# Altium PCB cyberlamp.PcbDoc (part 2 of 2)
Units mm, origin at the board's own origin, x right, y up, seen from the top; angles counter-clockwise.
Board outline 110 x 80 mm, 2 copper layers (Top Layer, Bottom Layer), stack 1.371 mm thick; 173 components, 119 nets, 563 pads, 188 vias.
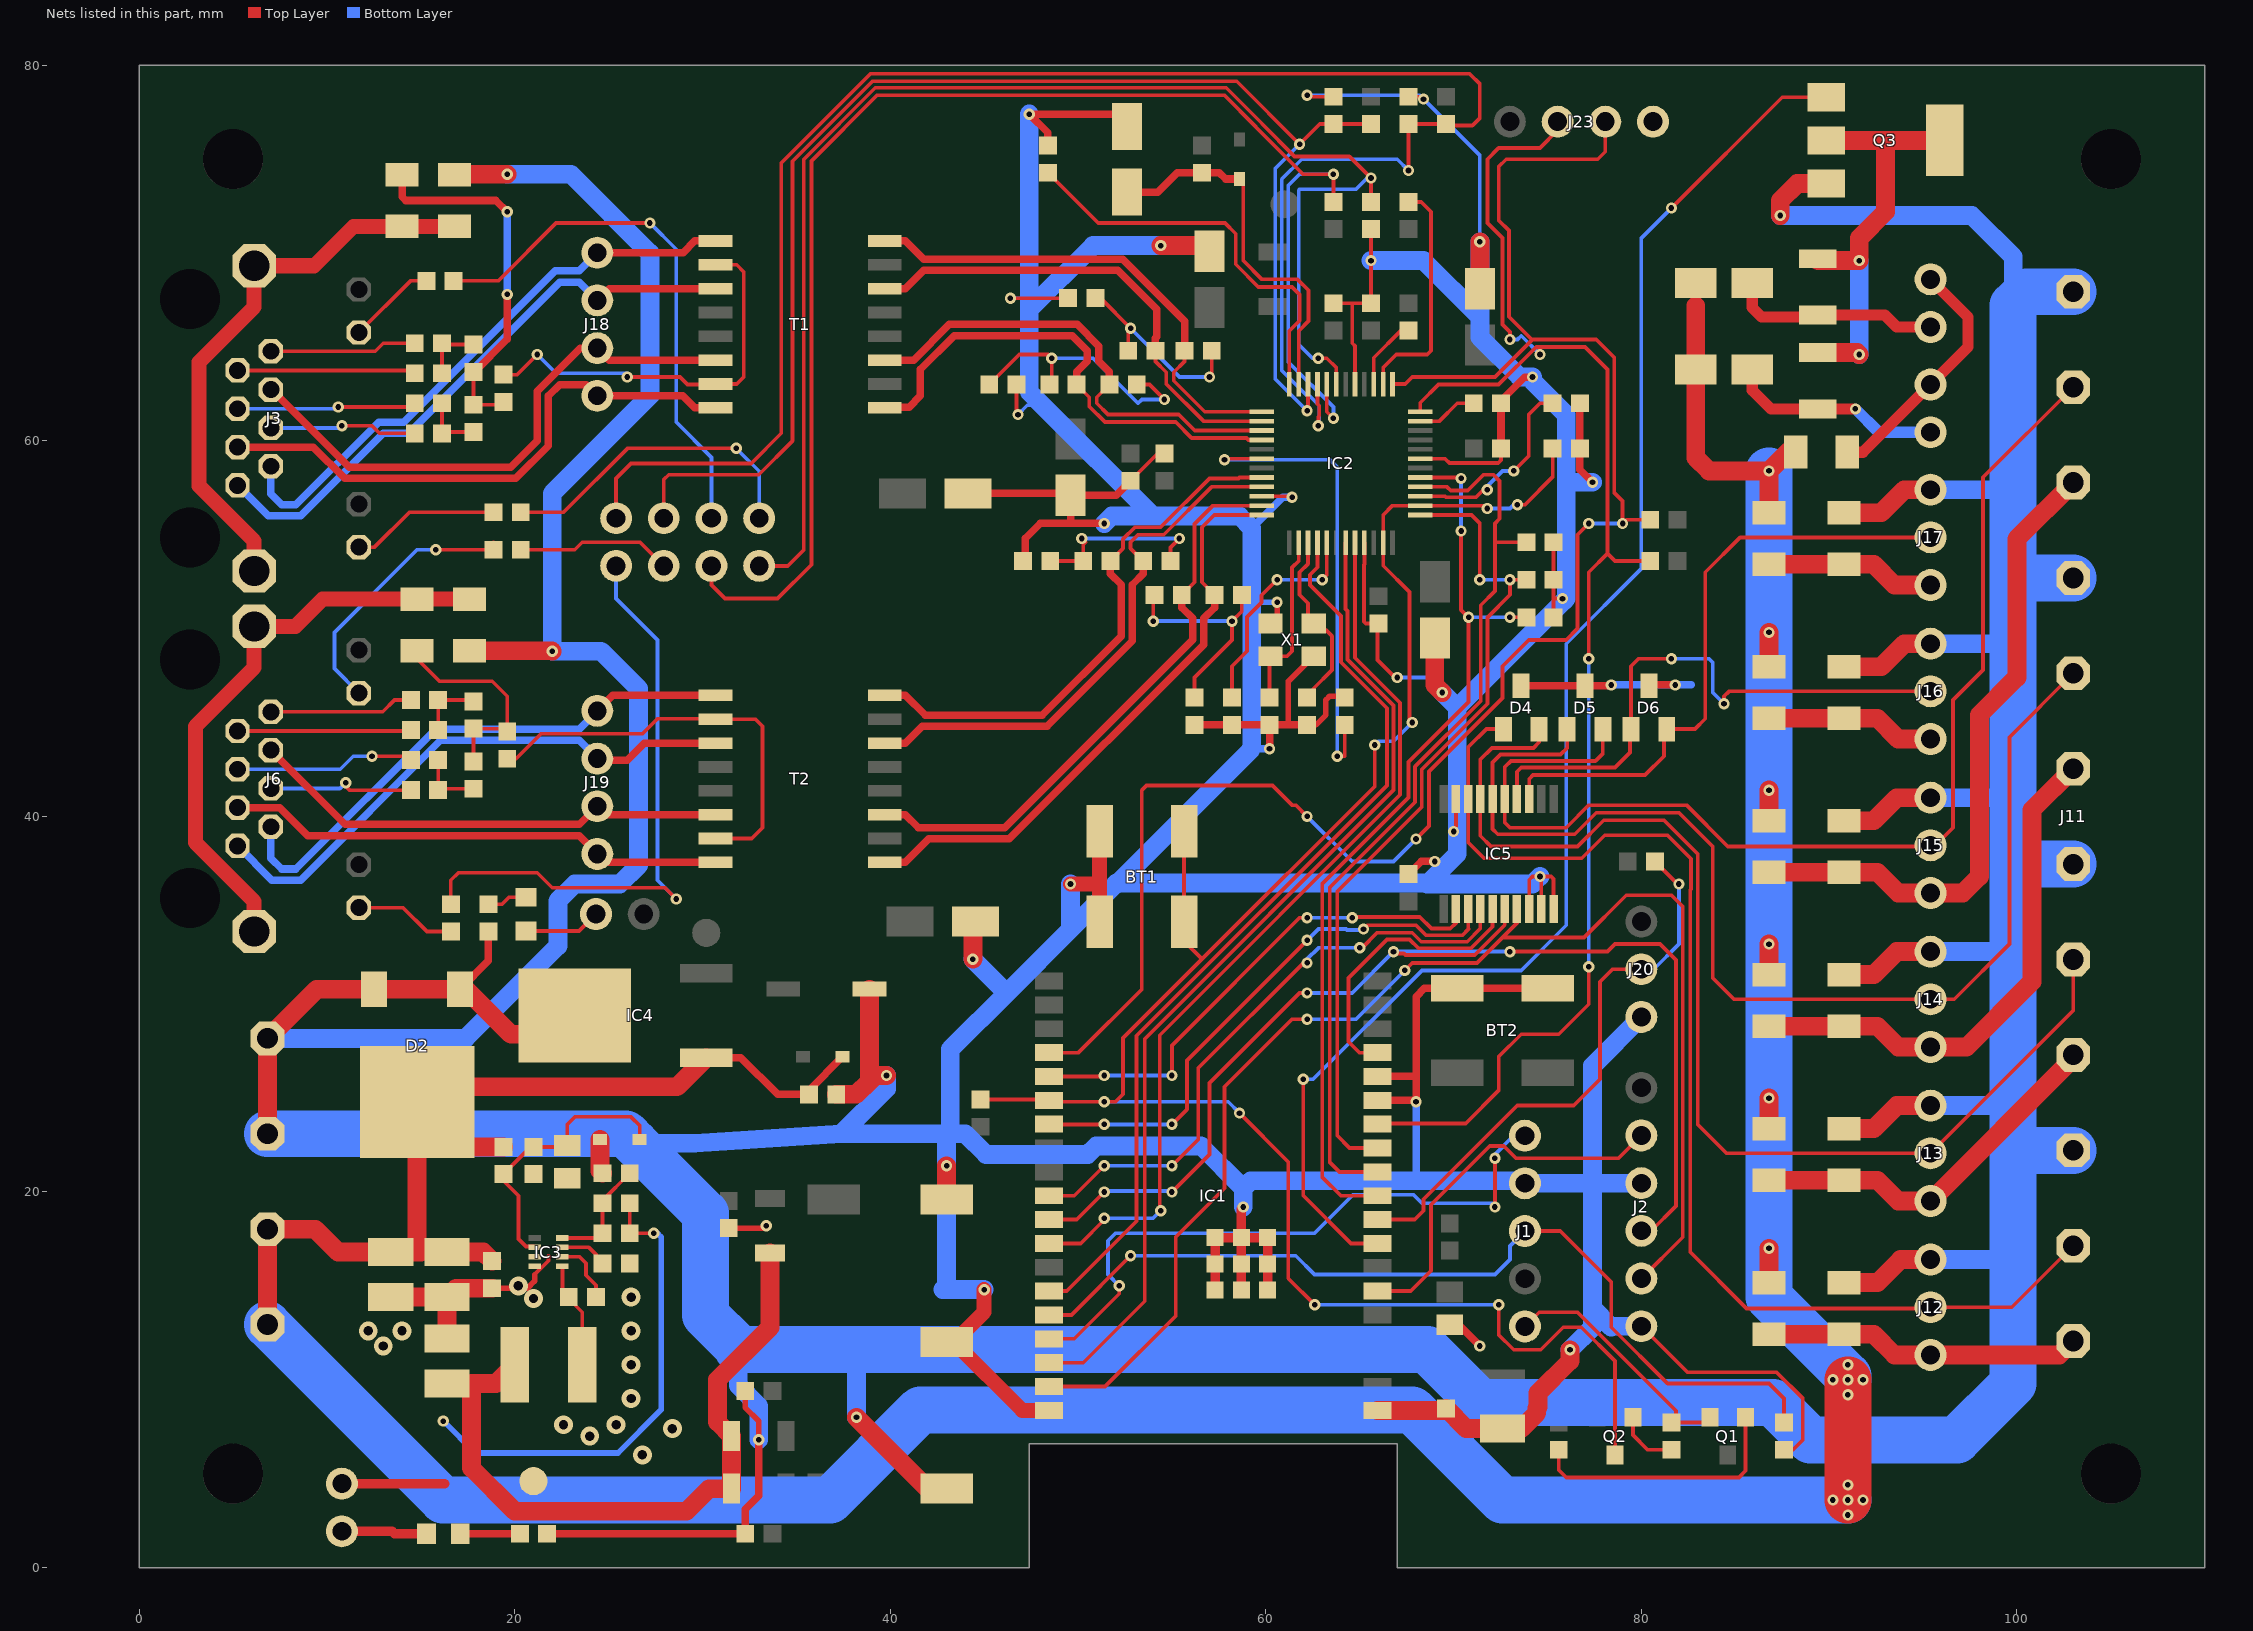
[diagram p2: the nets of this part, all layers, seen from the top]

## Via types
v1: diameter 0.6, hole 0.3, Top Layer to Bottom Layer, 174 vias
v2: diameter 1, hole 0.5, Top Layer to Bottom Layer, 14 vias

## Nets (pads, with @x,y where several pads share a name; then routed paths per layer and width w, separated by ;. In a path a pad name is that pad's centre, name@x,y a point inside that pad or via, vN(x,y) a via of type N, cw(c..) or ccw(c..) an arc to the next point about the centre after c; other vN are vias at no path point) (continued)
GND: BT1.3 BT1.4 BT2.1 BT2.2 C1.2 C2.2 C3.2 C4.2 C5.- C6.2 C7.2 C8.- C9.2 C10.- C11.2 C12.2 C13.- C14.2 C15.1 C16.1 C17.- C18.2 C19.2 C20.- C22.1 C23.2 C24.2 C25.- C27.1 C28.- C29.2 C31.- C32.2 C33.2 C34.2 C36.2 C37.2 C38.- C39.2 C40.2 C41.1 C42.2 C45.2 C46.2 C47.2 C48.2 C49.2 C50.2 C51.2 D2.2 D4.3 D5.3 D6.3 D9.2 IC1.1 IC1.14 IC1.15 IC1.38 IC1.39 IC2.10 IC2.21 IC2.31 IC2.41 IC3.4 IC4.3 IC5.8 IC5.9 IC5.10 IC5.19 J1.2 J2.3 J2.6 J10.1 J10.2 J11.3 J11.6 J11.9 J11.12 J12.1 J13.1 J14.1 J15.1 J16.1 J17.1 J20.3 J23.4 Q3.3 R2.1 R4.1 R5.1 R6.1 R9.1 R10.1 R11.1 R12.1 R20.1 R21.1 R23.2 R38.2 R52.1 R55.1 R56.1 R57.1 R58.1 X1.2 X1.4 | length 891.3
  Top Layer w0.2: 21.06,15.6 21.8,16.34 21.8,16.6 ; v1(46.4,67.6) C19.2@49.475,67.6 ; C18.2@46.725,63 46.725,61.475 v1(46.8,61.4) ; C9.2@52.8,57.875 54.25,59.325 C14.2@54.6,59.325 ; IC2.10@59.775,57.05 61.35,57.05 v1(61.4,57) ; v1(62.2,78.4) 62.275,78.325 R4.1@63.6,78.325 ; C12.2@63.6,67.325 C6.2@65.6,67.325 v1(65.6,69.6) R6.1@65.6,71.275 ; 64.6,67.2 64.6,65.2 64.75,65.05 IC2.41@64.75,63.025 ; IC2.21@65.25,54.575 65.25,53.425 65.225,53.4 65.225,50.375 65.325,50.275 C7.2@66,50.275 65.95,50.225 65.95,48.331 66.881,47.4 v1(67,47.4) ; R2.1@67.6,78.325 68.275,78.325 v1(68.4,78.2) ; IC2.31@68.225,59.05 69.55,59.05 69.775,58.825 72.375,58.825 72.525,58.975 C11.2@72.525,59.6 ; 70.125,39.475 IC5.19@70.125,40.925 ; IC5.8@74.025,35.075 74.025,36.625 74.2,36.8 v1(74.6,36.8) ; IC5.9@74.675,35.075 74.675,36.725 v1(74.6,36.8) ; IC5.10@75.325,35.075 75.325,36.675 75.2,36.8 v1(74.6,36.8) ; R9.1@75.325,50.6 75.325,51.6 ; R10.1@75.325,54.6 R5.1@75.325,52.6 75.325,51.6 ; v1(75.8,51.6) 75.325,51.6 ; J2.6@80,12.85 82.45,10.4 87.2,10.4 88.6,9 88.6,6.8 88.075,6.275 R58.1@87.6,6.275
  Top Layer w0.3: C34.2@18.8,14.875 20.675,14.875 21.06,15.26 21.06,15.6 ; C37.2@31.4,18.075 33.275,18.075 v1(33.4,18.2) ; C29.2@32.275,9.2 32.275,8.525 33,7.8 v1(33,6.8) ; X1.2@60.25,50.275 60.6,50.625 v1(60.6,51.4) ; 61.2,44.875 61.2,47.2 62.525,48.525 X1.4@62.55,48.525 ; C15.1@62.2,44.875 62.675,44.875 63.2,45.4 63.2,46.2 63.4,46.4 64.125,46.4 R20.1@64.2,46.325
  Top Layer w0.4: D2.2@17.09,30.8 18.6,32.31 R56.1@18.6,33.875 ; R57.1@21.725,1.8 C39.2@32.275,1.8 32.275,3.109 33,3.834 v1(33,6.8) ; C20.-@44.15,57.2 49.9,57.2 C8.-@50,57.1 ; C24.2@47.075,53.6 47.2,53.725 47.2,54.8 48,55.6 49.6,55.6 ; R23.2@48.4,75.725 48.4,76.4 v1(47.4,77.4) 51.95,77.4 C17.-@52.6,76.75 ; v1(51.4,55.6) 49.6,55.6 ; C9.2@52.8,57.875 52.025,57.1 C8.-@50,57.1 ; C23.2@56.2,44.875 C16.1@60.2,44.875 ; v1(60.2,43.6) C16.1@60.2,44.875 ; C15.1@62.2,44.875 61.2,44.875 C16.1@60.2,44.875 ; IC1.14@65.95,24.88 67.92,24.88 v1(68,24.8) 68,26.2 ; IC1.15@65.95,26.15 67.95,26.15 68,26.2 ; C42.2@67.6,36.925 68.275,37.6 v1(69,37.6) ; C3.2@69.8,12.925 70.275,12.925 v1(71.4,11.8) ; C11.2@72.525,59.6 R21.1@72.525,62 72.525,62.125 73.8,63.4 v1(74.2,63.4) ; D4.3@73.6,46.95 D5.3@77,46.95 78.35,46.95 v1(78.4,47) ; BT2.1@75.007,30.85 BT2.2@70.192,30.85 68.45,30.85 68,30.4 68,26.2 ; R11.1@76.725,62 R12.1@76.725,59.6 76.725,58.475 v1(77.4,57.8) ; D6.3@80.4,46.95 80.45,47 v1(81.8,47) ; 49.6,55.6 C8.-@49.6,57.1 C8.-@50,57.1
  Top Layer w0.5: IC1.39@57.3,14.77 IC1.39@57.3,16.17 IC1.39@57.3,17.57 IC1.39@58.7,17.57 ; IC1.39@58.7,14.77 IC1.39@58.7,16.17 IC1.39@58.7,17.57 ; v1(58.8,19.2) 58.7,19.1 IC1.39@58.7,17.57 ; IC1.39@60.1,14.77 IC1.39@60.1,16.17 IC1.39@60.1,17.57 IC1.39@58.7,17.57
  Top Layer w0.8: v1(45,14.8) 45,13.6 43.4,12 47.03,8.37 IC1.38@48.45,8.37 ; v1(49.6,36.4) 51.15,36.4 ; BT1.3@51.15,34.393 51.15,36.4 ; BT1.4@51.15,39.208 51.15,36.4
  Top Layer w1: J10.2@6.84,23.1 J10.1@6.84,28.18 9.46,30.8 D2.2@12.51,30.8 D2.2@17.09,30.8 17.4,30.8 19.8,28.4 IC4.3@23.2,28.4 ; C32.2@13.4,14.4 C33.2@16.4,14.4 ; C36.2@16.4,12.2 C33.2@16.4,14.4 ; C22.1@16.8,74.175 16.825,74.2 v1(19.6,74.2) ; C27.1@17.6,48.825 21.975,48.825 v1(22,48.8) ; C34.2@18.8,14.875 16.875,14.875 C33.2@16.4,14.4 ; D9.2@24.55,22.8 24.55,21.125 R52.1@24.675,21 ; C41.1@37.125,25.2 38.2,25.2 38.9,25.9 ; v1(38.2,8) 42,4.2 C38.-@43,4.2 ; C40.2@38.9,30.8 38.9,25.9 ; v1(39.8,26.2) 39.2,26.2 38.9,25.9 ; C31.-@43,19.6 v1(43,21.4) ; v1(44.4,32.4) 44.4,34.25 C25.-@44.55,34.4 ; v1(54.4,70.4) 56.7,70.4 C13.-@57,70.1 ; IC1.1@65.95,8.37 69.495,8.37 C2.2@69.6,8.475 70.675,7.4 C1.2@72.6,7.4 73.6,7.4 74.425,8.225 74.425,8.49 74.5,8.565 74.5,9.3 76.2,11 v1(76.2,11.6) ; C5.-@69,49.5 69,47 v1(69.4,46.6) ; C10.-@71.4,68.1 v1(71.4,70.6) ; v1(87.4,72) 87.4,72.8 88.3,73.7 Q3.3@89.85,73.7 ; C46.2@90.8,15.175 92.575,15.175 93.8,16.4 J12.1@95.4,16.4 ; C47.2@90.8,23.375 92.375,23.375 93.6,24.6 J13.1@95.4,24.6 ; C48.2@90.8,31.575 92.375,31.575 93.6,32.8 J14.1@95.4,32.8 ; C49.2@90.8,39.775 92.375,39.775 93.6,41 J15.1@95.4,41 ; C50.2@90.8,47.975 92.775,47.975 94,49.2 J16.1@95.4,49.2 ; C51.2@90.8,56.175 92.775,56.175 94,57.4 J17.1@95.4,57.4
  Bottom Layer w0.2: v1(46.4,67.6) 47.4,67.6 ; v1(46.8,61.4) 47.3,61.9 48.1,61.9 ; v1(62.2,78.4) 68.2,78.4 v1(68.4,78.2) 71.4,75.2 v1(71.4,70.6) ; v1(67,47.4) 68.6,47.4 v1(69.4,46.6)
  Bottom Layer w0.3: 59.45,51.4 v1(60.6,51.4)
  Bottom Layer w0.4: 59.2,43.6 v1(60.2,43.6) ; 59.25,55.35 60.9,57 v1(61.4,57) ; 68,20.6 v1(68,24.8) ; v1(78.4,47) v1(81.8,47) 82.661,47
  Bottom Layer w1: J10.1@6.84,28.18 17.38,28.18 22.3,33.1 22.3,35.5 23.2,36.4 25.6,36.4 26.6,37.4 26.6,46.8 24.6,48.8 v1(22,48.8) 22,57.2 27.2,62.4 27.2,70 23,74.2 v1(19.6,74.2) ; 26.406,22.6 29.6,22.6 37.4,23.1 ; 31.9,11.7 31.9,11.6 31.9,9.7 33,8.6 v1(33,6.8) ; v1(38.2,8) 38.2,11.4 38.4,11.6 ; v1(39.8,26.2) 39.8,25.5 37.4,23.1 ; v1(44.4,32.4) 46.1,30.7 46.3,30.7 ; v1(45,14.8) 42.8,14.8 43,15 v1(43,21.4) 43,22.9 43.2,23.1 ; v1(47.4,77.4) 47.4,67.6 47.4,67 ; v1(49.6,36.4) 49.6,34 ; v1(51.4,55.6) 51.8,56 54,56 ; v1(54.4,70.4) 50.8,70.4 47.4,67 ; v1(58.8,19.2) 58.8,20.2 ; 59.25,51.2 59.25,43.65 59.2,43.6 59.2,43.537 52.113,36.45 ; 59.25,51.4 59.25,55.35 58.6,56 54,56 ; v1(65.6,69.6) 68.4,69.6 71.4,66.6 ; v1(69.4,46.6) 70.2,45.8 ; v1(71.4,70.6) 71.4,66.6 ; v1(74.6,36.8) 74.2,36.4 68.6,36.4 ; v1@75.9,51.5 70.2,45.8 ; v1@76,51.6 76,57.8 ; v1(76.2,11.6) 77.4,12.8 77.4,13.8 ; v1(77.4,57.8) 76,57.8 ; J2.6@80,12.85 78.45,12.85 78.4,12.8 77.4,13.8 ; J2.3@80,20.47 79.99,20.46 77.4,20.46 ; J20.3@80,29.32 77.4,26.72 77.4,20.46 ; v1(87.4,72) 97.6,72 99.8,69.8 99.8,67.2 ; J12.1@95.4,16.4 99.8,16.4 ; J13.1@95.4,24.6 99.8,24.6 ; J14.1@95.4,32.8 99.8,32.8 ; J15.1@95.4,41 99.8,41 ; J16.1@95.4,49.2 99.8,49.2 ; J17.1@95.4,57.4 99.8,57.4 ; 37.4,23.1 43.2,23.1 ; 43.2,23.1 43.2,27.6 46.3,30.7 ; 43.2,23.1 44,23.1 45.1,22 50.515,22 50.965,22.45 56.55,22.45 58.8,20.2 ; 46.3,30.7 49.6,34 ; 47.4,67 47.4,62.6 48.1,61.9 54,56 ; 49.6,34 52,36.4 ; 52,36.4 52.063,36.4 52.113,36.45 ; 52,36.4 52.05,36.45 52.113,36.45 ; 52.113,36.45 68.55,36.45 68.6,36.4 ; 58.8,20.2 59.2,20.6 68,20.6 73.66,20.6 J1.2@73.8,20.46 77.4,20.46 ; 68.6,36.4 70.2,38 70.2,45.8 ; 71.4,66.6 71.4,65.515 73.515,63.4 v1(74.2,63.4) 74.2,63.2 76,61.4 76,57.8 ; 77.4,13.8 77.4,20.46
  Bottom Layer w2.5: J10.2@6.84,23.1 25.906,23.1 26.406,22.6 30.15,18.856 30.15,13.45 31.9,11.7 ; 31.9,11.6 38.4,11.6 68.6,11.6 71.4,8.8 87,8.8 89,6.8 96.8,6.8 99.8,9.8 99.8,16.4 99.8,22.2 ; J11.3@103,22.22 99.82,22.22 99.8,22.2 ; J11.6@103,37.46 99.86,37.46 99.8,37.4 ; J11.9@103,52.7 99.9,52.7 99.8,52.8 ; J11.12@103,67.94 100.54,67.94 99.8,67.2 99.8,52.8 ; 99.8,22.2 99.8,24.6 99.8,37.4 ; 99.8,37.4 99.8,41 99.8,52.8
  other v1: 70,39.2
  other v2: 26.8,6 24,7 28.4,7.4 22.6,7.6 25.4,7.6 26.2,9 26.2,10.8 13,11.8 12.2,12.6 14,12.6 26.2,12.6 21,14.325 26.2,14.4 20.2,15
NetC4_1: C4.1 D9.1 IC3.2 R54.1 R55.2 | length 14.9
  Top Layer w0.2: IC3.2@21.06,17.05 21.01,17.1 20.601,17.1 20.2,17.501 20.2,19.8 19.4,20.6 R54.1@19.4,20.95 20.85,22.4 R55.2@21,22.4 22.725,22.4 C4.1@22.8,22.475 22.8,23.6 23.2,24 26.2,24 26.655,23.545 D9.1@26.655,22.8
NetC15_2: C15.2 IC2.15 X1.1 | length 9.3
  Top Layer w0.2: IC2.15@62.25,54.575 62.25,53.45 61.8,53 61.8,51.8 62.25,51.35 62.25,50.575 X1.1@62.55,50.275 62.85,50.275 63.525,49.6 63.525,47.8 C15.2@62.525,46.8
NetC16_2: C16.2 IC2.14 X1.3 | length 9.4
  Top Layer w0.2: C16.2@60.2,46.325 60.2,48.475 X1.3@60.25,48.525 61.125,48.525 61.4,48.8 61.4,53.25 61.75,53.6 IC2.14@61.75,54.575
NetC17_+: C17.+ D1.2 IC2.47 R22.1 | length 20.3
  Top Layer w0.2: D1.2@58.6,73.945 58.8,73.745 58.8,69.6 59.8,68.6 61.695,68.6 62.275,68.02 62.275,66.38 61.75,65.855 IC2.47@61.75,63.025
  Top Layer w0.4: C17.+@52.6,73.25 54.25,73.25 55.275,74.275 R22.1@56.6,74.275 57.525,74.275 57.855,73.945 D1.2@58.6,73.945
NetC18_1: C18.1 R24.1 R25.1 | length 14.4
  Top Layer w0.2: C18.1@45.275,63 46.875,64.6 48.4,64.6 v1(48.6,64.4) 48.6,63.125 R24.1@48.475,63 ; R25.1@53.125,63 53.8,63 v1(54.6,62.2)
  Bottom Layer w0.2: v1(48.6,64.4) 50.8,64.4 53.2,62 53.4,62.2 v1(54.6,62.2)
NetC19_1: C19.1 R26.1 R31.1 | length 10.5
  Top Layer w0.2: C19.1@50.925,67.6 51.2,67.6 v1(52.8,66) 52.675,65.875 R26.1@52.675,64.8 ; v1(57,63.4) 57.125,63.525 R31.1@57.125,64.8
  Bottom Layer w0.2: v1(52.8,66) 55.4,63.4 v1(57,63.4)
NetC21_1: C21.1 C22.2 J3.13 | length 29.8
  Top Layer w0.8: J3.13@6.13,53.075 6.13,54.67 3.2,57.6 3.2,64.2 6.13,67.13 J3.13@6.13,69.325 9.325,69.325 11.425,71.425 C22.2@16.4,71.425
NetC21_2: C21.2 R27.2 R29.1 R33.1 | length 19.8
  Top Layer w0.2: R33.1@17.8,63.675 R29.1@17.8,61.925 19.25,61.925 R27.2@19.4,62.075
  Top Layer w0.4: C21.2@14,74.175 14,73 14.2,72.8 19,72.8 v1(19.6,72.2) ; R33.1@17.8,63.675 17.866,63.675 19.591,65.4 19.6,65.4 v1(19.6,67.8)
  Bottom Layer w0.4: v1(19.6,67.8) v1(19.6,72.2)
NetC23_1: C23.1 R37.1 R39.1 | length 12.2
  Top Layer w0.2: v1(54,50.4) 54,51.725 R39.1@54.075,51.8 ; C23.1@56.2,46.325 56.2,47.4 58.2,49.4 v1(58.2,50.4) 58.725,50.925 R37.1@58.725,51.8
  Bottom Layer w0.2: v1(54,50.4) v1(58.2,50.4)
NetC24_1: C24.1 R40.1 R45.1 | length 9.7
  Top Layer w0.2: C24.1@48.525,53.6 R45.1@50.275,53.6 50.275,54.475 50.4,54.6 v1(50.2,54.8) ; R40.1@54.925,53.6 54.925,54.325 v1(55.4,54.8)
  Bottom Layer w0.2: v1(50.2,54.8) v1(55.4,54.8)
NetC26_1: C26.1 C27.2 J6.13 | length 30.9
  Top Layer w0.8: J6.13@6.13,33.875 6.13,35.47 3,38.6 3,44.8 6.13,47.93 J6.13@6.13,50.125 8.325,50.125 9.775,51.575 C27.2@17.6,51.575
NetC26_2: C26.2 R41.2 R43.1 R47.1 | length 11.5
  Top Layer w0.2: C26.2@14.8,48.825 14.8,48.4 16,47.2 18.8,47.2 19.6,46.4 R41.2@19.6,44.525 19.45,44.675 R47.1@17.8,44.675 R43.1@17.8,42.925
NetC30_1: C30.1 IC3.6 | length 3.4
  Top Layer w0.2: IC3.6@22.54,16.55 23.45,16.55 23.8,16.2 23.8,15.563 24.325,15.038 C30.1@24.325,14.4
NetC30_2: C30.2 IC3.5 L1.1 | length 5.7
  Top Layer w0.2: IC3.5@22.54,16.05 22.54,15.2 22.54,14.66 23.6,13.6 L1.1@23.6,10.8
NetC35_1: C35.1 C36.1 FB2.1 FB3.1 FB4.1 J25.2 L1.2 R51.2 TP2.1 | length 67.8
  Top Layer w0.2: C35.1@26.125,19.4 R51.2@26.125,17.8 v1(27.4,17.8)
  Top Layer w0.5: J25.2@10.8,4.47 16.27,4.47
  Top Layer w1: L1.2@20,10.8 19,9.8 17.7,9.8 17.7,5.3 20,3 29.15,3 30.35,4.2 FB4.1@31.55,4.2 FB2.1@31.55,7 30.8,7.75 30.8,10 33.6,12.8 FB3.1@33.6,16.75
  Bottom Layer w0.3: v1(16.2,7.8) 17.9,6.1 25.5,6.1 27.8,8.4 27.8,17.6 27.6,17.8 v1(27.4,17.8)
NetC35_2: C35.2 IC3.8 R51.1 R52.2 | length 6
  Top Layer w0.2: IC3.8@22.54,17.55 24.425,17.55 R51.1@24.675,17.8 C35.2@24.675,19.4 24.675,19.55 R52.2@26.125,21
NetC43_-: C43.- J22.2 L3.2 | length 11.3
  Top Layer w0.6: C43.-@85.9,68.4 85.9,67.1 86.4,66.6 89.3,66.6 L3.2@89.4,66.7 92.96,66.7 93.6,66.06 J22.2@95.4,66.06
NetC44_-: C44.- J21.2 L2.2 | length 11.5
  Top Layer w0.6: C44.-@85.9,63.8 85.9,62.7 86.898,61.702 L2.2@89.4,61.702 v1(91.4,61.702)
  Bottom Layer w0.6: v1(91.4,61.702) 92.642,60.46 J21.2@95.4,60.46
NetC45_1: C45.1 IC3.7 | length 2.6
  Top Layer w0.2: IC3.7@22.54,17.05 23.95,17.05 C45.1@24.8,16.2
NetC46_1: C46.1 F1.1 J11.1 J12.3 | length 17
  Top Layer w1: F1.1@86.8,12.425 C46.1@90.8,12.425 92.375,12.425 93.48,11.32 J12.3@95.4,11.32 102.26,11.32 J11.1@103,12.06
NetC47_1: C47.1 F2.1 J11.4 J13.3 | length 20
  Top Layer w1: F2.1@86.8,20.625 C47.1@90.8,20.625 92.575,20.625 93.68,19.52 J13.3@95.4,19.52 103,27.12 J11.4@103,27.3
NetC48_1: C48.1 F3.1 J11.7 J14.3 | length 28.2
  Top Layer w1: F3.1@86.8,28.825 C48.1@90.8,28.825 92.575,28.825 93.68,27.72 J14.3@95.4,27.72 97.32,27.72 100.8,31.2 100.8,40.34 J11.7@103,42.54
NetC49_1: C49.1 F4.1 J11.10 J15.3 | length 35.1
  Top Layer w1: F4.1@86.8,37.025 C49.1@90.8,37.025 92.575,37.025 93.68,35.92 J15.3@95.4,35.92 97.12,35.92 98,36.8 98,45.4 100,47.4 100,54.78 J11.10@103,57.78
NetC50_1: C50.1 F5.1 J16.3 | length 9.1
  Top Layer w1: F5.1@86.8,45.225 C50.1@90.8,45.225 92.575,45.225 93.68,44.12 J16.3@95.4,44.12
NetC51_1: C51.1 F6.1 J17.3 | length 9.1
  Top Layer w1: F6.1@86.8,53.425 C51.1@90.8,53.425 92.375,53.425 93.48,52.32 J17.3@95.4,52.32
NetD4_1: D4.1 IC5.18 J11.2 J12.2 | length 64.6
  Top Layer w0.2: D4.1@72.65,44.65 71.745,44.65 70.775,43.68 IC5.18@70.775,40.925 70.775,38.625 71.625,37.775 76.825,37.775 78.05,39 81.4,39 82.65,37.75 82.65,36.131 82.6,36.081 82.6,16.8 85.6,13.8 95.34,13.8 J12.2@95.4,13.86 99.72,13.86 J11.2@103,17.14
NetD4_2: D4.2 IC5.17 J11.5 J13.2 | length 62.3
  Top Layer w0.2: D4.2@74.55,44.65 74.55,43.95 74.25,43.65 72.05,43.65 71.425,43.025 IC5.17@71.425,40.925 71.425,38.975 72,38.4 76.6,38.4 78,39.8 81.2,39.8 83,38 83,23.6 84.54,22.06 J13.2@95.4,22.06 103,29.66 J11.5@103,32.38
NetD5_1: D5.1 IC5.16 J11.8 J14.2 | length 62.2
  Top Layer w0.2: D5.1@76.05,44.65 76.05,43.65 75.7,43.3 72.5,43.3 72.075,42.875 IC5.16@72.075,40.925 72.075,39.325 72.35,39.05 76.45,39.05 77.6,40.2 82,40.2 83.8,38.4 83.8,31.4 84.94,30.26 J14.2@95.4,30.26 96.66,30.26 99.6,33.2 99.6,44.22 J11.8@103,47.62
NetD5_2: D5.2 IC5.15 J11.11 J15.2 | length 61.7
  Top Layer w0.2: D5.2@77.95,44.65 77.95,43.35 77.55,42.95 73.05,42.95 72.725,42.625 IC5.15@72.725,40.925 72.725,39.675 73,39.4 76,39.4 77.2,40.6 82.4,40.6 84.6,38.4 95.34,38.4 J15.2@95.4,38.46 95.66,38.46 96.6,39.4 96.6,46.2 98.2,47.8 98.2,58.06 J11.11@103,62.86
NetD6_1: D6.1 IC5.14 J16.2 | length 31.1
  Top Layer w0.2: IC5.14@73.375,40.925 73.375,42.375 73.6,42.6 78.6,42.6 79.4,43.4 79.4,44.6 D6.1@79.45,44.65 79.45,48 79.85,48.4 v1(81.6,48.4) ; v1(84.4,46) 84.4,46.4 84.66,46.66 J16.2@95.4,46.66
  Bottom Layer w0.2: v1(81.6,48.4) 83.6,48.4 83.8,48.2 83.8,46.6 v1(84.4,46)
NetD6_2: D6.2 IC5.13 J17.2 | length 33.1
  Top Layer w0.2: IC5.13@74.025,40.925 74.025,42 74.225,42.2 80.2,42.2 81.2,43.2 81.2,44.5 D6.2@81.35,44.65 82.85,44.65 83.4,45.2 83.4,53 85.26,54.86 J17.2@95.4,54.86
NetD7_1: D7.1 R56.2 | length 2.2
  Top Layer w0.2: R56.2@18.6,35.325 19.325,35.325 19.7,35.7 D7.1@20.6,35.7
NetD7_2: D7.2 J24.1 | length 4.1
  Top Layer w0.2: D7.2@20.6,33.9 23.43,33.9 J24.1@24.33,34.8
NetD8_1: D8.1 R57.2 | length 3.2
  Top Layer w0.4: D8.1@17.1,1.8 R57.2@20.275,1.8
NetD8_2: D8.2 J25.1 | length 4.6
  Top Layer w0.5: J25.1@10.8,1.93 13.47,1.93 13.6,1.8 D8.2@15.3,1.8
NetF7_1: F7.1 J21.1 J22.1 | length 13.2
  Top Layer w0.6: F7.1@90.975,59.4 91.8,59.4 J21.1@95.4,63 97.4,65 97.4,66.6 J22.1@95.4,68.6
NetIC1_6: IC1.6 J2.2 | length 20.1
  Top Layer w0.2: IC1.6@65.95,14.72 67.72,14.72 68.8,15.8 68.8,19.319 71.931,22.45 72.669,22.45 73.319,21.8 78.79,21.8 J2.2@80,23.01
NetIC1_8: IC1.8 Q3.1 | length 79.8
  Top Layer w0.2: v1(62,26) 62,19.8 64.54,17.26 IC1.8@65.95,17.26 ; v1(81.6,72.4) 87.5,78.3 Q3.1@89.85,78.3
  Bottom Layer w0.2: v1(62,26) 62.519,26 68.319,31.8 73.6,31.8 76,34.2 76,49.2 80,53.2 80,70.8 v1(81.6,72.4)
NetIC1_9: IC1.9 J20.2 R53.1 | length 30.5
  Top Layer w0.2: IC1.9@65.95,18.53 67.93,18.53 68.4,19 68.4,19.614 73.386,24.6 76.4,24.6 77.8,26 77.8,31.2 78.46,31.86 J20.2@80,31.86 ; R53.1@80.725,37.6 81.925,36.4 v1(82,36.4)
  Bottom Layer w0.2: J20.2@80,31.86 80.66,31.86 82,33.2 v1(82,36.4)
NetIC1_16: IC1.16 IC5.5 | length 15.3
  Top Layer w0.2: IC1.16@65.95,27.42 64.98,27.42 64.4,28 64.4,31.4 66.45,33.45 67.655,33.45 68.13,32.975 70.925,32.975 72.075,34.125 IC5.5@72.075,35.075